# Altium PCB LimeSDR-USB_1v4s.PcbDoc (part 1 of 10) (continued)
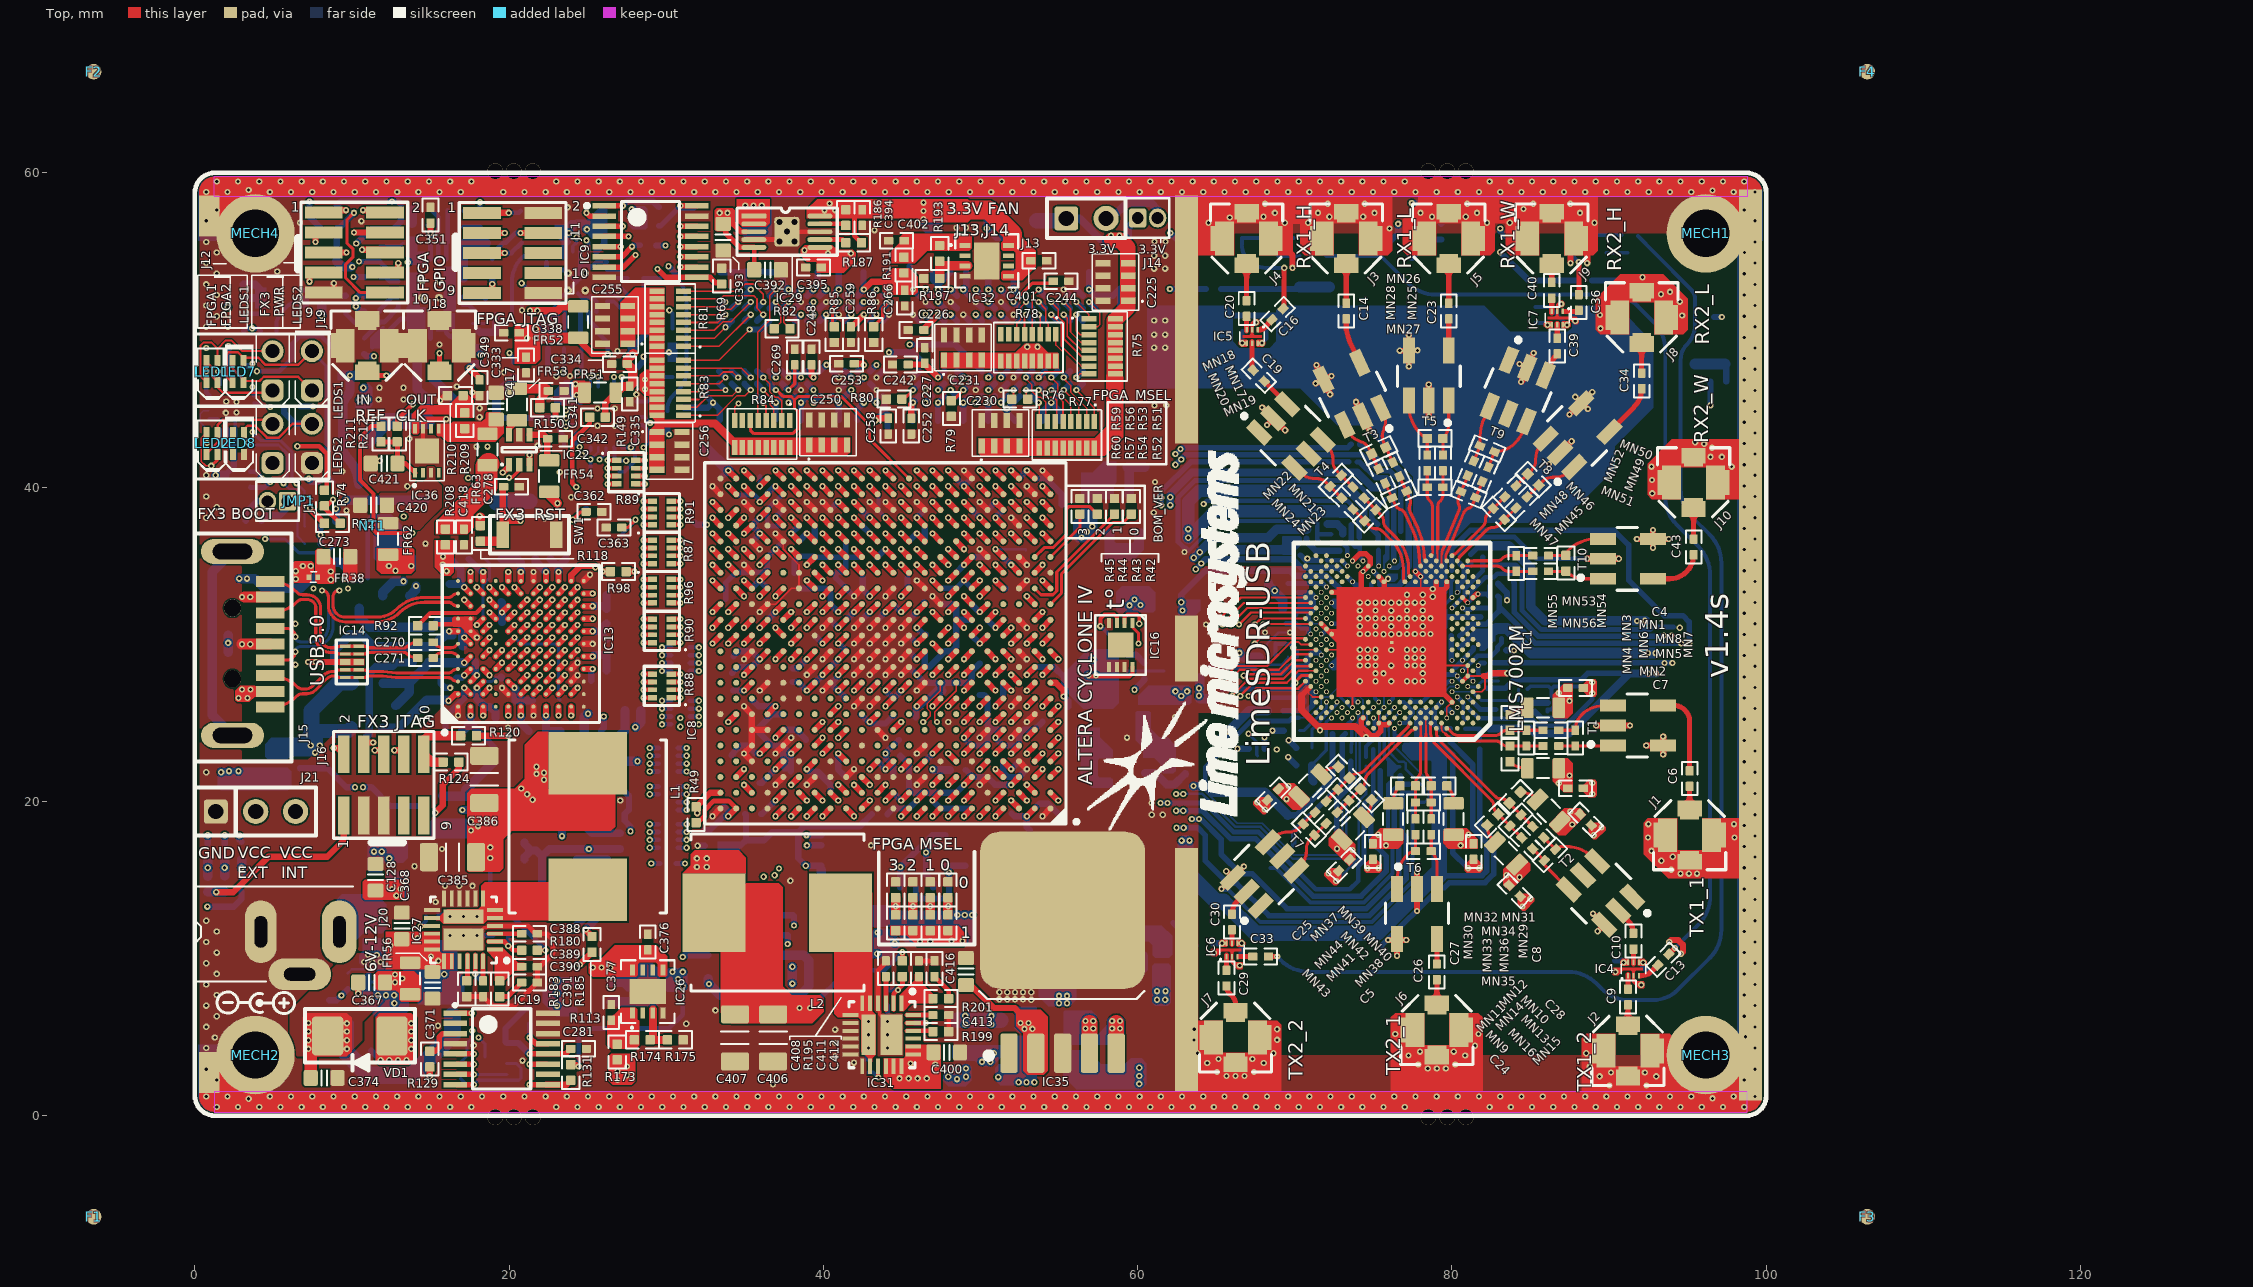
[diagram p0: Top view]
## Classes and differential pairs (continued)
net class FPGA_DDR0_BA: DDR2_1_BA0 DDR2_1_BA1 DDR2_1_BA2
net class FPGA_DDR0_A: DDR2_1_A0 DDR2_1_A1 DDR2_1_A2 DDR2_1_A3 DDR2_1_A4 DDR2_1_A5 DDR2_1_A6 DDR2_1_A7 DDR2_1_A8 DDR2_1_A9 DDR2_1_A10 DDR2_1_A11 DDR2_1_A12
component class 08_FPGA_banks_1_2_3_4: C103 C104 C105 C106 C107 C108 C109 C110 C111 C112 C113 C114 IC8 R42 R43 R44 R45 R46 R47
net class RX_RF: RXRF1_HAB_N RXRF1_HAB_P RXRF1_HBB_N RXRF1_HBB_P RXRF1_LAB_N RXRF1_LAB_P RXRF1_LBB_N RXRF1_LBB_P RXRF1_WAB_N RXRF1_WAB_P RXRF1_WBB_N RXRF1_WBB_P RXRF2_HAB_N RXRF2_HAB_P RXRF2_HBB_N RXRF2_HBB_P RXRF2_LAB_N RXRF2_LAB_P RXRF2_LBB_N RXRF2_LBB_P RXRF2_WAB_N RXRF2_WAB_P RXRF2_WBB_N RXRF2_WBB_P
net class TX_RF: TXRF1_1AB_N TXRF1_1AB_P TXRF1_1BB_N TXRF1_1BB_P TXRF1_2AB_N TXRF1_2AB_P TXRF1_2BB_N TXRF1_2BB_P TXRF2_1AB_N TXRF2_1AB_P TXRF2_1BB_N TXRF2_1BB_P TXRF2_2AB_N TXRF2_2AB_P TXRF2_2BB_N TXRF2_2BB_P
component class 07_LMS7002M_Power: C44 C45 C46 C47 C48 C49 C50 C51 C52 C53 C54 C55 C56 C57 C58 C59 C60 C61 C62 C63 C64 C65 C66 C67 C68 C69 C70 C71 C72 C73 C74 C75 C76 C77 C78 C79 C80 C81 C82 C83 C84 C85 C86 C87 C88 C89 C90 C91 C92 C93 C94 C95 C96 C97 C98 C99 C100 C101 C102 FR1 FR2 FR3 FR4 FR5 FR6 FR7 FR8 FR9 FR10 FR11 FR12 FR13 FR14 FR15 FR16 FR17 FR18 FR19 FR20 FR21 FR22 FR23 FR24 FR25 FR26 FR27 FR28 FR29 FR30 FR31 FR32 FR33 FR34 FR35 R22 R23 R24 R25 R26 R27 R28 R29 R30 R31 R32 R33 R34 R35 R36 R37 R38 R39 R40 R41
component class 05_LMS7002M_RF1: C4 C5 C6 C7 C8 C9 C10 C11 C12 C13 C14 C15 C16 C17 C18 C19 C20 C21 C22 C23 IC4 IC5 J1 J2 J3 J4 J5 MN1 MN2 MN3 MN4 MN5 MN6 MN7 MN8 MN9 MN10 MN11 MN12 MN13 MN14 MN15 MN16 MN17 MN18 MN19 MN20 MN21 MN22 MN23 MN24 MN25 MN26 MN27 MN28 R14 R15 R16 R17 RA1 RA2 RA3 RA4 T1 T2 T3 T4 T5 VT1 VT2 VT3
component class 11_DDR2: C221 C222 C223 C224 C225 C226 C227 C228 C229 C230 C231 C232 C233 C234 C235 C236 C237 C238 C239 C240 C241 C242 C243 C244 C245 C246 C247 C248 C249 C250 C251 C252 C253 C254 C255 C256 C257 C258 C259 C260 C261 C262 C263 C264 C265 C266 C267 C268 C269 FR76 IC11 IC12 R75 R76 R77 R78 R79 R80 R81 R82 R83 R84 R85 R86 XT6
component class 12_USB3_0_device: C270 C271 C272 C273 C274 C275 C276 C277 C278 C279 C280 C281 C282 FR38 FR39 IC13 IC14 IC15 IC16 IC17 IC18 IC19 J15 J16 J17 JMP1 NT1 R87 R88 R89 R90 R91 R92 R93 R94 R95 R96 R97 R98 R99 R100 R101 R102 R103 R104 R105 R106 R107 R108 R109 R110 R111 R112 R113 R114 R115 R116 R117 R118 R119 R120 R121 R122 R123 R124 R125 R126 R127 R128 R129 R130 R131 R132 R133 R134 R135 SW1 XT1
net class CLK_PATH: NetC182_1 NetC281_1 NetC321_1 NetC321_2 NetC322_2 NetIC20_3 NetIC20_5 NetR137_2 REF_CLK_IN RXPLL_CLK TXPLL_CLK
net class FX3_DATA: FX3_USB_D_N FX3_USB_D_P FX3_USB_SSRX_N FX3_USB_SSRX_P FX3_USB_SSTX_IC_N FX3_USB_SSTX_IC_P FX3_USB_SSTX_N FX3_USB_SSTX_P
component class 04_LMS7002M_Misc: C1 C2 C3 IC1 IC2 IC3 R1 R2 R3 R4 R5 R6 R7 R8 R9 R10 R11 R12 R13
net class LMS_PORT1: LMS_DIQ1_D0 LMS_DIQ1_D1 LMS_DIQ1_D2 LMS_DIQ1_D3 LMS_DIQ1_D4 LMS_DIQ1_D5 LMS_DIQ1_D6 LMS_DIQ1_D7 LMS_DIQ1_D8 LMS_DIQ1_D9 LMS_DIQ1_D10 LMS_DIQ1_D11 LMS_ENABLE_IQSEL1 LMS_FCLK1 LMS_MCLK1 LMS_TXNRX1
net class LMS_PORT2: LMS_DIQ2_D0 LMS_DIQ2_D1 LMS_DIQ2_D2 LMS_DIQ2_D3 LMS_DIQ2_D4 LMS_DIQ2_D5 LMS_DIQ2_D6 LMS_DIQ2_D7 LMS_DIQ2_D8 LMS_DIQ2_D9 LMS_DIQ2_D10 LMS_DIQ2_D11 LMS_ENABLE_IQSEL2 LMS_FCLK2 LMS_MCLK2 LMS_TXNRX2
component class 15_BoardPowerSupply: C367 C368 C369 C370 C371 C372 C373 C374 C375 C376 C377 C378 C379 C380 C381 C382 C383 C384 C385 C386 C387 C388 C389 C390 C391 C392 C393 C394 C395 C396 C397 C398 C399 C400 C401 C402 C403 C404 C405 C406 C407 C408 C409 C410 C411 C412 C413 C414 C415 C416 C417 C418 C419 C420 C421 C422 C423 C424 C? F1 F2 F3 F4 F? FR56 FR57 FR58 FR59 FR60 FR61 FR62 FR63 FR? IC25 IC26 IC27 IC28 IC29 IC30 IC31 IC32 IC33 IC34 IC35 IC36 IC39 J20 J21 J? L1 L2 L? LED1 LED2 LED7 LED8 LED? LEDS1 LEDS2 LEDS? MECH1 MECH2 MECH3 MECH4 MECH? R166 R167 R168 R169 R170 R171 R172 R173 R174 R175 R176 R177 R178 R179 R180 R181 R182 R183 R184 R185 R186 R187 R188 R189 R190 R191 R192 R193 R194 R195 R196 R197 R198 R199 R200 R201 R202 R203 R204 R205 R206 R207 R208 R209 R210 R211 R212 R213 R214 R215 R216 R217 R218 R219 R? VD1 VD?
component class 14_Clocks: C321 C322 C323 C324 C325 C326 C327 C328 C329 C330 C331 C332 C333 C334 C335 C336 C337 C338 C339 C340 C341 C342 C343 C344 C345 C346 C347 C348 C349 C350 C351 C352 C353 C354 C355 C356 C357 C358 C359 C360 C361 C362 C363 C364 C365 C366 C? FR49 FR50 FR51 FR52 FR53 FR54 FR55 FR? IC20 IC21 IC22 IC23 IC24 J18 J19 J? R136 R137 R138 R139 R140 R141 R142 R143 R144 R145 R146 R147 R148 R149 R150 R151 R152 R153 R154 R155 R156 R157 R158 R159 R160 R161 R162 R163 R164 R165 XO1 XO2 XO? XT2 XT?
net class FPGA_MSEL: MSEL0 MSEL1 MSEL2 MSEL3
net class FPGA_CONF: FPGA_AS_DCLK FPGA_CONF_DONE FPGA_NCONFIG FPGA_NSTATUS
net class FPGA_GPIO: FPGA_GPIO0 FPGA_GPIO1 FPGA_GPIO2 FPGA_GPIO3 FPGA_GPIO4 FPGA_GPIO5 FPGA_GPIO6 FPGA_GPIO7
net class FPGA_JTAG: FPGA_JTAG_TCK FPGA_JTAG_TDI FPGA_JTAG_TDO FPGA_JTAG_TMS NetJ11_7
net class FPGA_SPI0: FPGA_SPI0_LMS_SS FPGA_SPI0_MISO FPGA_SPI0_MOSI FPGA_SPI0_SCLK NetC1_1 NetIC1_D28 NetIC1_F28 NetIC1_F30
net class LMS_I2C: LMS_I2C_SCL LMS_I2C_SDA
net class I2C_BRDG: BRDG_INT BRDG_SPI_DUMMY_SS BRDG_SPI_FPGA_SS BRDG_SPI_MISO BRDG_SPI_MOSI BRDG_SPI_SCLK
net class FX3_JTAG: FX3_JTAG_TCK FX3_JTAG_TDI FX3_JTAG_TDO FX3_JTAG_TMS FX3_JTAG_TRST FX3_RST NetJ16_10
net class VCC1P2: VCC1P2
net class VCC1P4_LMS: VCC1P4_LMS
net class VCC1P8_DDR2: VCC1P8_DDR2
net class VCC1P8_LMS: VCC1P8_LMS
net class VCC1P8: VCC1P8
net class VCC1P25_LMS_DIG: VCC1P25_LMS_DIG
net class VCC1P25_LMS: VCC1P25_LMS
net class VCC2P5: VCC2P5
net class VCC3P3_CLK: VCC3P3_CLK
net class VCC3P3: VCC3P3
net class VCC5P0_USB: VCC5P0_USB
net class VDIO_LMS_FPGA: VDIO_LMS_FPGA
net class VDIO_LMS: VDIO_LMS
net class VCC_INT: VCC_INT
net class LMS_MISC: LMS_CORE_LDO_EN LMS_RESET LMS_RXEN LMS_TXEN
net class VDIO_LMS_LMK: VDIO_LMS_LMK
net class VCC3P3_LMK: VCC3P3_LMK
net class VCC_CFX3: VCC_CFX3
net class LB_CTRL: TX1_2_LB_AT TX1_2_LB_H TX1_2_LB_L TX1_2_LB_SH TX2_2_LB_H TX2_2_LB_L TX2_2_LB_SH
differential pair SI5351_XTAL: +SI5351_XTAL_P -SI5351_XTAL_N
differential pair FX3_XTAL: +FX3_XTAL_P -FX3_XTAL_N
differential pair DDR2_2_CLK: +DDR2_2_CLK_P -DDR2_2_CLK_N
differential pair DDR2_1_CLK: +DDR2_1_CLK_P -DDR2_1_CLK_N
differential pair RXRF1_HAB: +RXRF1_HAB_P -RXRF1_HAB_N
differential pair RXRF1_HBB: +RXRF1_HBB_P -RXRF1_HBB_N
differential pair RXRF1_LAB: +RXRF1_LAB_P -RXRF1_LAB_N
differential pair RXRF1_LBB: +RXRF1_LBB_P -RXRF1_LBB_N
differential pair RXRF1_WAB: +RXRF1_WAB_P -RXRF1_WAB_N
differential pair RXRF1_WBB: +RXRF1_WBB_P -RXRF1_WBB_N
differential pair TXRF1_1AB: +TXRF1_1AB_P -TXRF1_1AB_N
differential pair TXRF1_1BB: +TXRF1_1BB_P -TXRF1_1BB_N
differential pair TXRF1_2AB: +TXRF1_2AB_P -TXRF1_2AB_N
differential pair TXRF1_2BB: +TXRF1_2BB_P -TXRF1_2BB_N
differential pair RXRF2_HAB: +RXRF2_HAB_P -RXRF2_HAB_N
differential pair RXRF2_HBB: +RXRF2_HBB_P -RXRF2_HBB_N
differential pair RXRF2_LAB: +RXRF2_LAB_P -RXRF2_LAB_N
differential pair RXRF2_LBB: +RXRF2_LBB_P -RXRF2_LBB_N
differential pair RXRF2_WAB: +RXRF2_WAB_P -RXRF2_WAB_N
differential pair RXRF2_WBB: +RXRF2_WBB_P -RXRF2_WBB_N
differential pair TXRF2_1AB: +TXRF2_1AB_P -TXRF2_1AB_N
differential pair TXRF2_1BB: +TXRF2_2BB_P -TXRF2_2BB_N
differential pair TXRF2_2AB: +TXRF2_2AB_P -TXRF2_2AB_N
differential pair TXRF2_2BB: +TXRF2_1BB_P -TXRF2_1BB_N
differential pair FX3_USB_D: +FX3_USB_D_P -FX3_USB_D_N
differential pair FX3_USB_SSRX: +FX3_USB_SSRX_P -FX3_USB_SSRX_N
differential pair FX3_USB_SSTX_IC: +FX3_USB_SSTX_IC_P -FX3_USB_SSTX_IC_N
differential pair FX3_USB_SSTX: +FX3_USB_SSTX_P -FX3_USB_SSTX_N

## Components (designator, comment, footprint, x,y, rotation, side; value= is the part's Value field where it differs from the comment)
C1 "10pF, 25V" CAP0402#1 70.7,21.251 r180 bottom
C2 "1uF, 10V" CAP0402#1 49.05,15.4 r270 bottom
C3 "1uF, 10V" CAP0402#1 40.375,14.975 r180 bottom
C4 "100nF, 16V" CAP0402#2 87.867,27.216 r180 top
C5 "100nF, 16V" CAP0402#2 73.141,15.937 r45 top
C6 "100pF, 50V" CAP0402#2 95.125,21.45 r90 top
C7 "100nF, 16V" CAP0402#2 87.866,20.837 r180 top
C8 "100nF, 16V" CAP0402#2 81.38,16.81 r90 top
C9 "100pF, 50V" CAP0402#2 91.2,7.55 r90 top
C10 "100pF, 50V" CAP0402#2 91.55,11.1 r90 top
C11 "47pF" CAP0402#1 92.925,8.725 r135 bottom
C12 "47pF" CAP0402#1 90.4,10.375 r270 bottom
C13 "100pF, 50V" CAP0402#2 93.454,9.929 r45 top
C14 "470pF, 50V" CAP0402#2 73.275,51.2 r270 top
C15 "100pF, 50V" CAP0402#1 63.275,53.1 r90 bottom
C16 "100pF, 50V" CAP0402#2 68.904,51.004 r225 top
C17 "100pF, 50V" CAP0402#1 79.825,57.8 r0 bottom
C18 "100pF, 50V" CAP0402#1 63.275,55.2 r270 bottom
C19 "100pF, 50V" CAP0402#2 67.708,47.088 r315 top
C20 "100pF, 50V" CAP0402#2 66.934,51.359 r270 top
C21 "47pF" CAP0402#1 66.675,50.425 r270 bottom
C22 "47pF" CAP0402#1 68.2,50.425 r270 bottom
C23 "470pF, 50V" CAP0402#2 79.8,51.2 r270 top
C24 "100nF, 16V" CAP0402#2 83.994,14.308 r135 top
C25 "100nF, 16V" CAP0402#2 68.612,20.433 r45 top
C26 "100pF, 50V" CAP0402#2 79.04,9.15 r90 top
C27 "100nF, 16V" CAP0402#2 74.966,16.812 r90 top
C28 "100nF, 16V" CAP0402#2 88.519,18.833 r135 top
C29 "100pF, 50V" CAP0402#2 65.65,8.75 r90 top
C30 "100pF, 50V" CAP0402#2 66,12.325 r90 top
C31 "47pF" CAP0402#1 67.125,10.3 r180 bottom
C32 "47pF" CAP0402#1 64.25,10.975 r0 bottom
C33 "100pF, 50V" CAP0402#2 67.825,10.125 r0 top
C34 "470pF, 50V" CAP0402#2 92.076,46.755 r270 top
C35 "100pF, 50V" CAP0402#1 86.875,53.65 r90 bottom
C36 "100pF, 50V" CAP0402#2 88.075,51.75 r270 top
C37 "100pF, 50V" CAP0402#1 82.825,55.975 r180 bottom
C38 "100pF, 50V" CAP0402#1 96.955,45.66 r0 bottom
C39 "100pF, 50V" CAP0402#2 86.7,48.975 r270 top
C40 "100pF, 50V" CAP0402#2 86.35,52.525 r270 top
C41 "47pF" CAP0402#1 84.825,50.45 r0 bottom
C42 "47pF" CAP0402#1 84.825,51.45 r0 bottom
C43 "470pF, 50V" CAP0402#2 95.38,36.193 r270 top
C44 "1uF, 20%" CAP0201 71,33.589 r270 bottom
C45 "1nF, 10%" CAP0201 70.15,33.589 r270 bottom
C46 "1uF, 20%" CAP0201 68.491,29.974 r180 bottom
C47 "1nF, 10%" CAP0201 69.851,29.219 r180 bottom
C48 "1uF, 20%" CAP0201 72.875,32.119 r270 bottom
C49 "1nF, 10%" CAP0201 73.626,32.119 r270 bottom
C50 "1uF, 20%" CAP0201 70.075,28.32 r270 bottom
C51 "1nF, 10%" CAP0201 70.801,28.311 r270 bottom
C52 "1uF, 20%" CAP0201 73.926,30.094 r0 bottom
C53 "1nF, 10%" CAP0201 71.851,31.144 r135 bottom
C54 "1uF, 20%" CAP0201 70.62,26.939 r180 bottom
C55 "1nF, 10%" CAP0201 70.575,26.005 r90 bottom
C56 "1uF, 20%" CAP0201 70.096,31.599 r90 bottom
C57 "1nF, 10%" CAP0201 70.876,31.319 r90 bottom
C58 "1uF, 20%" CAP0201 72.875,31.028 r270 bottom
C59 "1nF, 10%" CAP0201 73.626,31.019 r270 bottom
C60 "1uF, 20%" CAP0201 68.825,26.87 r270 bottom
C61 "1nF, 10%" CAP0201 69.876,26.869 r270 bottom
C62 "1uF, 20%" CAP0201 73.201,24.569 r270 bottom
C63 "1uF, 20%" CAP0201 73.301,23.644 r180 bottom
C64 "1uF, 20%" CAP0201 79.125,24.344 r270 bottom
C65 "1uF, 20%" CAP0201 73.126,26.769 r180 bottom
C66 "1uF, 20%" CAP0201 77.544,20.224 r270 bottom
C67 "1uF, 20%" CAP0201 78.162,20.245 r270 bottom
C68 "1uF, 20%" CAP0201 76.05,21.475 r270 bottom
C69 "1uF, 20%" CAP0201 76.075,33.395 r270 bottom
C70 "1uF, 20%" CAP0201 82.196,25.569 r270 bottom
C71 "1uF, 20%" CAP0201 83.176,29.619 r0 bottom
C72 "1uF, 20%" CAP0201 84.526,27.144 r0 bottom
C73 "1uF, 20%" CAP0201 76.794,26.599 r90 bottom
C74 "1uF, 20%" CAP0201 86.094,25.999 r270 bottom
C75 "1uF, 20%" CAP0201 76.351,23.894 r270 bottom
C76 "1uF, 20%" CAP0201 75.677,27.074 r90 bottom
C77 "1uF, 20%" CAP0201 83,27.905 r90 bottom
C78 "1uF, 20%" CAP0201 74.531,22.526 r270 bottom
C79 "1uF, 20%" CAP0201 74.833,26.891 r225 bottom
C80 "1uF, 20%" CAP0201 77.444,26.776 r270 bottom
C81 "1uF, 20%" CAP0201 79.101,27.894 r180 bottom
C82 "1uF, 20%" CAP0201 74.126,36.519 r90 bottom
C83 "1uF, 20%" CAP0201 80.951,26.034 r315 bottom
C84 "1uF, 20%" CAP0201 82.001,28.069 r0 bottom
C85 "1uF, 20%" CAP0201 76.426,34.589 r270 bottom
C86 "1uF, 20%" CAP0201 75.601,38.419 r180 bottom
C87 "1uF, 20%" CAP0201 81.771,23.589 r270 bottom
C88 "1uF, 20%" CAP0201 75.07,35.4 r180 bottom
C89 "1uF, 20%" CAP0201 82.226,34.869 r0 bottom
C90 "1uF, 20%" CAP0201 83.175,34.775 r90 bottom
C91 "1uF, 20%" CAP0201 76.021,39.2 r180 bottom
C92 "1uF, 20%" CAP0201 74.463,33.744 r0 bottom
C93 "1uF, 20%" CAP0201 80.486,35.434 r90 bottom
C94 "1uF, 20%" CAP0201 79.926,28.526 r180 bottom
C95 "1uF, 20%" CAP0201 72.276,36.719 r90 bottom
C96 "1uF, 20%" CAP0201 71.796,37.644 r180 bottom
C97 "1uF, 20%" CAP0201 71.771,35.339 r180 bottom
C98 "1uF, 20%" CAP0201 71.525,36.255 r90 bottom
C99 "1uF, 20%" CAP0201 70.123,35.902 r315 bottom
C100 "1uF, 20%" CAP0201 79.251,32.544 r180 bottom
C101 "1uF, 20%" CAP0201 81.75,32.027 r270 bottom
C102 "1uF, 20%" CAP0201 82.651,33.719 r0 bottom
C103 "100nF, 16V" CAP0402#1 36.425,39.075 r270 bottom
C104 "100nF, 16V" CAP0402#1 38.45,36.1 r270 bottom
C105 "100nF, 16V" CAP0402#1 41.45,37.05 r270 bottom
C106 "100nF, 16V" CAP0402#1 42.925,37.525 r0 bottom
C107 "100nF, 16V" CAP0402#1 42.925,35.525 r180 bottom
C108 "100nF, 16V" CAP0402#1 45.475,36.075 r270 bottom
C109 "100nF, 16V" CAP0402#1 51.45,41.075 r90 bottom
C110 "100nF, 16V" CAP0402#1 50.45,39.025 r90 bottom
C111 "100nF, 16V" CAP0402#1 51.425,36.075 r90 bottom
C112 "100nF, 16V" CAP0402#1 49.925,32.55 r0 bottom
C113 "100nF, 16V" CAP0402#1 50.925,30.525 r0 bottom
C114 "100nF, 16V" CAP0402#1 48.95,30.525 r180 bottom
C115 "220uF, 4V" CAP1206#1 47.375,25.675 r90 bottom
C116 "10uF, 6.3V" CAP0603#1 41.65,34.225 r0 bottom
C117 "4.7uF, 6.3V" CAP0402#1 38.4,33.05 r90 bottom
C118 "1uF, 10V" CAP0402#1 43.925,32.55 r180 bottom
C119 "100nF, 16V" CAP0402#1 39.975,28.55 r180 bottom
C120 "220uF, 4V" CAP1206#1 34.5,24.55 r0 bottom
C121 "10uF, 6.3V" CAP0603#1 37.925,21.075 r90 bottom
C122 "4.7uF, 6.3V" CAP0402#1 31.825,38.225 r270 bottom
C123 "1uF, 10V" CAP0402#1 50.45,36.025 r90 bottom
C124 "100nF, 16V" CAP0402#1 48.45,35.075 r90 bottom
C125 "100nF, 16V" CAP0402#1 56.95,30.125 r90 bottom
C126 "220uF, 4V" CAP1206#1 31.025,41.525 r45 bottom
C127 "100uF, 6.3V" CAP1206#1 55.175,40.375 r270 bottom
C128 "10uF, 6.3V" CAP0603#2 11.5,15.175 r270 top
C129 "4.7uF, 6.3V" CAP0402#1 36.925,33.575 r180 bottom
C130 "1uF, 10V" CAP0402#1 48.45,40.075 r90 bottom
C131 "100nF, 16V" CAP0402#1 35.45,33.075 r270 bottom
C132 "100uF, 6.3V" CAP1206#1 40.4,23.925 r180 bottom
C133 "10uF, 6.3V" CAP0603#1 32.95,32.85 r0 bottom
C134 "4.7uF, 6.3V" CAP0402#1 47.9,10.15 r90 bottom
C135 "1uF, 10V" CAP0402#1 35.925,35.525 r0 bottom
C136 "100nF, 16V" CAP0402#1 49.925,33.525 r0 bottom
C137 "100uF, 6.3V" CAP1206#1 34.45,21.175 r0 bottom
C138 "10uF, 6.3V" CAP0603#1 33.3,22.925 r0 bottom
C139 "4.7uF, 6.3V" CAP0402#1 55.45,19.2 r180 bottom
C140 "1uF, 10V" CAP0402#1 40.45,20.075 r90 bottom
C141 "100nF, 16V" CAP0402#1 41.675,22.55 r0 bottom
C142 "100uF, 6.3V" CAP1206#1 55.35,29.375 r270 bottom
C143 "10uF, 6.3V" CAP0603#1 53.95,25.95 r270 bottom
C144 "4.7uF, 6.3V" CAP0402#1 60.875,31.825 r90 bottom
C145 "1uF, 10V" CAP0402#1 53.475,29.025 r270 bottom
C146 "100nF, 16V" CAP0402#1 51.95,27.525 r0 bottom
C147 "100nF, 16V" CAP0402#1 36.35,6.6 r0 bottom
C148 "100nF, 16V" CAP0402#1 32.25,57.75 r0 bottom
C149 "100nF, 16V" CAP0402#1 48.9,25.55 r180 bottom
C150 "100nF, 16V" CAP0402#1 47.425,34.05 r90 bottom
C151 "100nF, 16V" CAP0402#1 37.425,37.025 r90 bottom
C152 "100nF, 16V" CAP0402#1 48.425,33.025 r270 bottom
C153 "100nF, 16V" CAP0402#1 33.775,29.225 r180 bottom
C154 "100nF, 16V" CAP0402#1 46.45,22.025 r270 bottom
C155 "100nF, 16V" CAP0402#1 53.75,20.35 r90 bottom
C156 "100nF, 16V" CAP0402#1 33.175,19.65 r180 bottom
C157 "100nF, 16V" CAP0402#1 50.95,22.575 r0 bottom
C158 "100nF, 16V" CAP0402#1 39.525,21.4 r270 bottom
C159 "100nF, 16V" CAP0402#1 43.45,22.05 r270 bottom
C160 "100nF, 16V" CAP0402#1 32.45,17.675 r270 bottom
C161 "100nF, 16V" CAP0402#1 33.7,28.175 r180 bottom
C162 "100nF, 16V" CAP0402#1 33.75,27.05 r180 bottom
C163 "100nF, 16V" CAP0402#1 35.475,26.95 r90 bottom
C164 "100nF, 16V" CAP0402#1 41.925,21.55 r0 bottom
C165 "100nF, 16V" CAP0402#1 51.975,18.725 r270 bottom
C166 "100nF, 16V" CAP0402#1 53.625,18.175 r0 bottom
C167 "100nF, 16V" CAP0402#1 51.95,28.525 r0 bottom
C168 "100nF, 16V" CAP0402#1 51.95,26.525 r0 bottom
C169 "100nF, 16V" CAP0402#1 52.925,23.575 r0 bottom
C170 "100nF, 16V" CAP0402#1 52.925,22.575 r0 bottom
C171 "100nF, 16V" CAP0402#1 36,31.55 r180 bottom
C172 "100nF, 16V" CAP0402#1 46.45,39.05 r90 bottom
C173 "100nF, 16V" CAP0402#1 43.5,40.05 r90 bottom
C174 "100nF, 16V" CAP0402#1 46.45,36.025 r270 bottom
C175 "100nF, 16V" CAP0402#1 52.45,41.075 r90 bottom
C176 "100nF, 16V" CAP0402#1 39.425,36.05 r270 bottom
C177 "100nF, 16V" CAP0402#1 42.45,39.025 r90 bottom
C178 "100nF, 16V" CAP0402#1 32.95,40.55 r180 bottom
C179 "100nF, 16V" CAP0402#1 51.475,33.05 r270 bottom
C180 "100nF, 16V" CAP0402#1 53.375,35.975 r0 bottom
C181 "100nF, 16V" CAP0402#1 49.95,31.525 r180 bottom
C182 "100nF, 16V" CAP0402#1 34.975,37.525 r180 bottom
C183 "100nF, 16V" CAP0402#1 49.45,41.075 r90 bottom
C184 "100nF, 16V" CAP0402#1 51.425,39.025 r90 bottom
C185 "100nF, 16V" CAP0402#1 37.45,39.05 r90 bottom
C186 "100nF, 16V" CAP0402#1 34.975,36.525 r180 bottom
C187 "100nF, 16V" CAP0402#1 40.45,38.05 r270 bottom
C188 "100nF, 16V" CAP0402#1 49.475,39.075 r90 bottom
C189 "100nF, 16V" CAP0402#1 42.45,31.075 r270 bottom
C190 "100nF, 16V" CAP0402#1 46.4,33.175 r90 bottom
C191 "100nF, 16V" CAP0402#1 45.8,24.85 r270 bottom
C192 "100nF, 16V" CAP0402#1 43.45,34.05 r90 bottom
C193 "100nF, 16V" CAP0402#1 44.85,34.2 r180 bottom
C194 "100nF, 16V" CAP0402#1 41.475,31.05 r270 bottom
C195 "100nF, 16V" CAP0402#1 43.45,31.05 r270 bottom
C196 "100nF, 16V" CAP0402#1 45,31.55 r180 bottom
C197 "100nF, 16V" CAP0402#1 39.925,32.55 r180 bottom
C198 "100nF, 16V" CAP0402#1 39.925,31.55 r180 bottom
C199 "100nF, 16V" CAP0402#1 44.975,29.55 r180 bottom
C200 "100nF, 16V" CAP0402#1 41.95,29.575 r0 bottom
C201 "100nF, 16V" CAP0402#1 46.5,30.05 r270 bottom
C202 "100nF, 16V" CAP0402#1 44.975,30.5 r180 bottom
C203 "100nF, 16V" CAP0402#1 51.45,25.05 r90 bottom
C204 "100nF, 16V" CAP0402#1 49.45,36.025 r90 bottom
C205 "100nF, 16V" CAP0402#1 37.475,26.05 r90 bottom
C206 "100nF, 16V" CAP0402#1 38.425,38.075 r90 bottom
C207 "100nF, 16V" CAP0402#1 44.45,28.075 r90 bottom
C208 "100nF, 16V" CAP0402#1 45.95,28.55 r0 bottom
C209 "100nF, 16V" CAP0402#1 37.55,27.6 r180 bottom
C210 "100nF, 16V" CAP0402#1 37.55,28.475 r180 bottom
C211 "100nF, 16V" CAP0402#1 39.425,27.025 r270 bottom
C212 "100nF, 16V" CAP0402#1 45.45,27.05 r270 bottom
C213 "100nF, 16V" CAP0402#1 43.45,28.075 r90 bottom
C214 "100nF, 16V" CAP0402#1 42.45,28.075 r90 bottom
C215 "100nF, 16V" CAP0402#1 41.425,26.025 r270 bottom
C216 "100nF, 16V" CAP0402#1 40.45,27 r270 bottom
C217 "100nF, 16V" CAP0402#1 38.975,30.525 r180 bottom
C218 "100nF, 16V" CAP0402#1 43.975,25.525 r180 bottom
C219 "100nF, 16V" CAP0402#1 44,26.55 r180 bottom
C220 "100nF, 16V" CAP0402#1 42.4,26.025 r90 bottom
C221 "100nF, 16V" CAP0402#1 47.3,43.725 r270 bottom
C222 "100nF, 16V" CAP0402#1 48.9,43.725 r270 bottom
C223 "100nF, 16V" CAP0402#1 50.5,43.725 r270 bottom
C224 "100nF, 16V" CAP0402#1 53.95,43.725 r270 bottom
C225 "0.1uF" CKCA43X7R1C104M100AA 58.6,53.05 r180 top
C226 "100nF, 16V" CAP0402#2 45.9,50 r180 top
C227 "100nF, 16V" CAP0402#2 46.45,48.375 r90 top
C228 "100nF, 16V" CAP0402#1 55.05,43.725 r270 bottom
C229 "100nF, 16V" CAP0402#1 47,54.15 r90 bottom
C230 "0.1uF" CKCA43X7R1C104M100AA 51.275,43.425 r90 top
C231 "0.1uF" CKCA43X7R1C104M100AA 48.875,48.875 r90 top
C232 "100nF, 16V" CAP0402#1 45.5,54.55 r90 bottom
C233 "100nF, 16V" CAP0402#1 48.075,54.15 r90 bottom
C234 "100nF, 16V" CAP0402#1 52.2,43.725 r270 bottom
C235 "100nF, 16V" CAP0402#1 49.1,54.15 r90 bottom
C236 "100nF, 16V" CAP0402#1 45.675,43.725 r270 bottom
C237 "100nF, 16V" CAP0402#1 56.9,54.175 r90 bottom
C238 "100nF, 16V" CAP0402#1 59.375,51.15 r0 bottom
C239 "100nF, 16V" CAP0402#1 50.5,54.175 r90 bottom
C240 "10uF, 6.3V" CAP0603#1 59.7,52.65 r180 bottom
C241 "4.7uF, 6.3V" CAP0402#1 34.4,56.875 r0 bottom
C242 "1uF, 10V" CAP0402#2 44.9,47.8 r0 top
C243 "100nF, 16V" CAP0402#1 52.1,54.175 r90 bottom
C244 "100nF, 16V" CAP0402#2 55.125,53.1 r0 top
C245 "220uF, 4V" CAP1206#1 37.65,56.825 r180 bottom
C246 "100nF, 16V" CAP0402#1 38.575,43.75 r270 bottom
C247 "100nF, 16V" CAP0402#1 40.975,43.775 r270 bottom
C248 "100nF, 16V" CAP0402#2 39.25,48.275 r90 top
C249 "100nF, 16V" CAP0402#1 40.975,54.175 r90 bottom
C250 "0.1uF" CKCA43X7R1C104M100AA 40.3,43.475 r90 top
C251 "100nF, 16V" CAP0402#1 42.175,43.775 r270 bottom
C252 "100nF, 16V" CAP0402#2 45.6,43.875 r270 top
C253 "100nF, 16V" CAP0402#2 41.475,47.85 r180 top
C254 "100nF, 16V" CAP0402#1 42.55,54.175 r90 bottom
C255 "0.1uF" CKCA43X7R1C104M100AA 26.75,50.325 r180 top
C256 "0.1uF" CKCA43X7R1C104M100AA 30.2,42.3 r0 top
C257 "100nF, 16V" CAP0402#1 34.95,54.15 r90 bottom
C258 "100nF, 16V" CAP0402#2 44.125,43.875 r270 top
C259 "100nF, 16V" CAP0402#2 41.75,49.7 r270 top
C260 "100nF, 16V" CAP0402#1 44.3,54.2 r90 bottom
C261 "100nF, 16V" CAP0402#1 37.425,54.175 r90 bottom
C262 "100nF, 16V" CAP0402#1 33.35,43.775 r270 bottom
C263 "100nF, 16V" CAP0402#1 31.15,44.55 r270 bottom
C264 "100nF, 16V" CAP0402#1 39.625,54.175 r90 bottom
C265 "10uF, 6.3V" CAP0603#1 36.275,54.525 r270 bottom
C266 "4.7uF, 6.3V" CAP0402#2 45.175,52.025 r90 top
C267 "1uF, 10V" CAP0402#1 36.95,43.775 r90 bottom
C268 "100nF, 16V" CAP0402#1 44.075,43.325 r270 bottom
C269 "100nF, 16V" CAP0402#2 38.175,48.275 r90 top
C270 "100nF, 16V" CAP0402#2 14.675,30.125 r0 top
C271 "100nF, 16V" CAP0402#2 14.675,29.125 r180 top
C272 "100nF, 16V" CAP0402#1 10.175,7.05 r180 bottom
C273 "1uF, 16V" CAP0603#2 9.05,35.575 r180 top
C274 "100nF, 16V" CAP0402#1 1.625,30.625 r0 bottom
C275 "13pF, 5%" CAP0402#1 14.2,20.2 r270 bottom
C276 "100nF, 16V" CAP0402#1 20.975,15.8 r270 bottom
C277 "13pF, 5%" CAP0402#1 6.7,21.6 r90 bottom
C278 "100nF, 16V" CAP0402#2 20.15,40.025 r0 top
C279 "100nF, 16V" CAP0402#1 19.275,5.55 r180 bottom
C280 "100nF, 16V" CAP0402#1 58.825,28.275 r0 bottom
C281 "100nF, 16V" CAP0402#2 24.425,4.25 r0 top
C282 "100nF, 16V" CAP0402#1 1.8,39.95 r270 bottom
C283 "22uF, 10V" CAP0603#1 10.6,16.075 r0 bottom
C284 "100nF, 16V" CAP0402#1 21.825,26.425 r0 bottom
C285 "100nF, 16V" CAP0402#1 26.7,33.125 r0 bottom
C286 "10nF, 10%" CAP0402#1 19.9,26.425 r0 bottom
C287 "10nF, 10%" CAP0402#1 26.7,32.25 r180 bottom
C288 "100nF, 16V" CAP0402#1 21.675,35.925 r90 bottom
C289 "10nF, 10%" CAP0402#1 21.25,23.975 r90 bottom
C290 "22uF, 10V" CAP0603#1 18.075,20.325 r180 bottom
C291 "100nF, 16V" CAP0402#1 19.5,23.275 r0 bottom
C292 "10nF, 10%" CAP0402#1 18,24 r90 bottom
C293 "100nF, 16V" CAP0402#1 17,24 r270 bottom
C294 "10nF, 10%" CAP0402#1 17.425,35.925 r270 bottom
C295 "10uF, 6.3V" CAP0603#1 15.225,32.075 r270 bottom
C296 "100nF, 16V" CAP0402#1 17.05,31.65 r90 bottom
C297 "10nF, 10%" CAP0402#1 17.55,29.9 r180 bottom
C298 "22uF, 10V" CAP0603#1 14.2,25.025 r90 bottom
C299 "100nF, 16V" CAP0402#1 15.325,25.95 r270 bottom
C300 "100nF, 16V" CAP0402#1 14.375,28.85 r180 bottom
C301 "22uF, 10V" CAP0603#1 11.95,26.1 r0 bottom
C302 "100nF, 16V" CAP0402#1 12.81,29.335 r270 bottom
C303 "22uF, 10V" CAP0603#1 10.1,29.75 r90 bottom
C304 "22uF, 10V" CAP0603#1 1.575,21.212 r0 bottom
C305 "100nF, 16V" CAP0402#1 19.525,35.925 r90 bottom
C306 "100nF, 16V" CAP0402#1 22.625,35.925 r90 bottom
C307 "100nF, 16V" CAP0402#1 26.7,31.325 r0 bottom
C308 "100nF, 16V" CAP0402#1 26.7,28.325 r0 bottom
C309 "100nF, 16V" CAP0402#1 22.275,23.975 r270 bottom
C310 "100nF, 16V" CAP0402#1 19.55,30.9 r270 bottom
C311 "100nF, 16V" CAP0402#1 15.35,33.95 r180 bottom
C312 "100nF, 16V" CAP0402#1 19.125,24.825 r270 bottom
C313 "10nF, 10%" CAP0402#1 20.525,35.925 r270 bottom
C314 "10nF, 10%" CAP0402#1 23.625,35.925 r270 bottom
C315 "10nF, 10%" CAP0402#1 26.7,30.325 r180 bottom
C316 "10nF, 10%" CAP0402#1 26.7,29.325 r180 bottom
C317 "10nF, 10%" CAP0402#1 23.275,23.975 r90 bottom
C318 "10nF, 10%" CAP0402#1 20,32.7 r180 bottom
C319 "10nF, 10%" CAP0402#1 16.45,35.725 r270 bottom
C320 "10nF, 10%" CAP0402#1 20,27.875 r180 bottom
C321 "100nF, 16V" CAP0402#1 28.05,53.313 r0 bottom
C322 "100nF, 16V" CAP0402#1 30.15,53.313 r0 bottom
C323 "100nF, 16V" CAP0402#1 28.05,54.313 r180 bottom
C324 "47pF" CAP0402#1 25.1,47.775 r180 bottom
C325 "47pF" CAP0402#1 23,47.775 r0 bottom
C326 "1uF, 10V" CAP0402#1 12.7,43.7 r90 bottom
C327 "100nF, 16V" CAP0402#1 14.65,47.95 r180 bottom
C328 "100nF, 16V" CAP0402#1 2.6,52.9 r0 bottom
C329 "1uF, 10V" CAP0402#1 24.25,57.2 r270 bottom
C330 "100nF, 16V" CAP0402#1 27.15,47.625 r0 bottom
C331 "100pF, 50V" CAP0402#1 26.45,56 r180 bottom
C332 "100pF, 50V" CAP0402#1 23.25,56.7 r270 bottom
C333 "1uF, 10V" CAP0402#2 21.075,47.775 r90 top
C334 "1uF, 10V" CAP0402#2 27.025,47.825 r0 top
C335 "100nF, 16V" CAP0402#2 27.675,45.925 r90 top
C336 "100pF, 50V" CAP0402#1 21.3,53 r270 bottom
C337 "100pF, 50V" CAP0402#1 27.35,49.15 r0 bottom
C338 "100nF, 16V" CAP0402#2 20.15,49.825 r0 top
C339 "100pF, 50V" CAP0402#1 25.55,49.325 r90 bottom
C340 "100pF, 50V" CAP0402#1 22.475,49.313 r90 bottom
C341 "1uF, 10V" CAP0402#2 23,46.125 r180 top
C342 "100nF, 16V" CAP0402#2 22.95,43.075 r0 top
C343 "100pF, 50V" CAP0402#1 18.125,50.4 r270 bottom
C344 "100pF, 50V" CAP0402#1 19.675,50.9 r0 bottom
C345 "100nF, 16V" CAP0402#1 18.675,47.85 r180 bottom
C346 "100nF, 16V" CAP0402#1 18.675,48.85 r180 bottom
C347 "100pF, 50V" CAP0402#1 12.275,56.925 r90 bottom
C348 "100pF, 50V" CAP0402#1 11.275,56.925 r90 bottom
C349 "100pF, 50V" CAP0402#2 18.125,46.325 r270 top
C350 "100pF, 50V" CAP0402#1 8.525,57.5 r180 bottom
C351 "100pF, 50V" CAP0402#2 15,57.3 r270 top
C352 "100nF, 16V" CAP0402#1 14.325,56.675 r180 bottom
C353 "1nF, 10%" CAP0402#1 14.475,49.425 r0 bottom
C354 "1nF, 10%" CAP0402#1 12.925,47.95 r90 bottom
C355 "22pF, 5%" CAP0402#1 18.675,57.575 r180 bottom
C356 "22pF, 5%" CAP0402#1 16.6,56.575 r180 bottom
C357 "22pF, 5%" CAP0402#1 16.6,55.575 r180 bottom
C358 "220pF, 10%" CAP0402#1 19,51.95 r0 bottom
C359 "100nF, 16V" CAP0402#1 23.5,42.2 r270 bottom
C360 "100nF, 16V" CAP0402#1 22.675,45.575 r180 bottom
C361 "10pF, 25V" CAP0402#1 9.625,51.675 r270 bottom
C362 "10pF, 25V" CAP0402#2 25.4,38.425 r180 top
C363 "10pF, 25V" CAP0402#2 26.675,37.425 r0 top
C364 "100nF, 16V" CAP0402#1 28.025,41.15 r270 bottom
C365 "100nF, 16V" CAP0402#1 27.025,40.475 r270 bottom
C366 "100nF, 16V" CAP0402#1 25.175,40.6 r270 bottom
C367 "10uF, 25V" CAP0603#2 11.25,8.475 r0 top
C368 "10uF, 25V" CAP0603#2 13.175,12.075 r270 top
C369 "10uF, 25V" CAP0603#1 14.675,6.1 r90 bottom
C370 "10uF, 25V" CAP0603#1 17.1,9.85 r180 bottom
C371 "10uF, 25V" CAP0603#2 15.125,8.3 r90 top
C372 "100nF, 16V" CAP0402#1 15.225,11.125 r90 bottom
C373 "100nF, 16V" CAP0402#1 11.225,4.625 r90 bottom
C374 "10uF, 25V" CAP0603#2 8.225,2.4 r180 top
C375 "10uF, 16V" CAP0603#1 12.375,5.625 r90 bottom
C376 "4.7uF, 6.3V" CAP0402#2 28.825,11.05 r270 top
C377 "4.7uF, 6.3V" CAP0402#2 26.5,6.575 r270 top
C378 "100nF, 16V" CAP0402#1 15.2,12.675 r0 bottom
C379 "10uF, 25V" CAP0603#1 13.175,11.575 r270 bottom
C380 "1uF, 10V" CAP0402#1 51.275,5.6 r90 bottom
C381 "100nF, 16V" CAP0402#1 48.525,5.6 r270 bottom
C382 "1uF, 10V" CAP0402#1 56.29,8.139 r180 bottom
C383 "4.7uF, 6.3V" CAP0402#1 54.665,12.014 r270 bottom
C384 "4.7uF, 6.3V" CAP0402#1 61.415,12.114 r270 bottom
C385 "100uF, 6.3V" CAP1206#2 16.4,16.45 r0 top
C386 "100uF, 6.3V" CAP1206#2 18.425,21.4 r270 top
C387 "10uF, 6.3V" CAP0603#1 32.6,53.675 r0 bottom
C388 "1uF, 10V" CAP0402#2 21.3,11.575 r0 top
C389 "4.7pF, 50V" CAP0402#2 21.3,9.475 r0 top
C390 "1200pF, 50V" CAP0402#2 21.3,8.475 r0 top
C391 "22nF, 50V" CAP0402#2 18.35,8.075 r270 top
C392 "10uF, 6.3V" CAP0603#2 36.45,53.825 r180 top
C393 "10uF, 6.3V" CAP0603#2 33.625,55.9 r90 top
C394 "1uF, 10V" CAP0402#2 42.475,57.15 r90 top
C395 "100nF, 16V" CAP0402#2 39.375,53.975 r180 top
C396 "1uF, 10V" CAP0402#1 58.25,25.675 r90 bottom
C397 "4.7uF, 6.3V" CAP0402#1 56.225,22 r0 bottom
C398 "4.7uF, 6.3V" CAP0402#1 59.9,24.475 r0 bottom
C399 "100nF, 16V" CAP0402#1 42.875,3.25 r90 bottom
C400 "10uF, 25V" CAP0603#2 47.85,4.025 r180 top
C401 "4.7uF, 6.3V" CAP0402#2 53.71,54.4 r180 top
C402 "4.7uF, 6.3V" CAP0402#2 44.65,55.675 r0 top
C403 "1uF, 10V" CAP0402#1 58.45,32.725 r0 bottom
C404 "4.7uF, 6.3V" CAP0402#1 57.975,35.125 r90 bottom
C405 "4.7uF, 6.3V" CAP0402#1 56.775,41.1 r270 bottom
C406 "220uF, 4V" CAP1206#2 36.8,4.95 r90 top
C407 "220uF, 4V" CAP1206#2 34.375,4.95 r90 top
C408 "1uF, 10V" CAP0402#2 43.975,9.35 r90 top
C409 "4.7uF, 6.3V" CAP0402#1 21.95,7.875 r0 bottom
C410 "4.7uF, 6.3V" CAP0402#1 28.2,9.925 r270 bottom
C411 "68pF, 25V" CAP0402#2 46.075,9.35 r90 top
C412 "1500pF, 50V" CAP0402#2 47.075,9.35 r90 top
C413 "22nF, 50V" CAP0402#2 47.475,6.4 r0 top
C414 "4.7uF, 6.3V" CAP0402#1 53.725,3.4 r180 bottom
C415 "10uF, 6.3V" CAP0603#1 55.125,5.925 r0 bottom
C416 "10uF, 16V" CAP0603#2 49.075,9.175 r270 top
C417 "10uF, 6.3V" CAP0603#2 19.175,45.15 r270 top
C418 "4.7uF, 6.3V" CAP0402#2 17.125,36.825 r90 top
C419 "10uF, 25V" CAP0603#1 11,37.275 r0 bottom
C420 "10uF, 25V" CAP0603#2 11.375,38.85 r0 top
C421 "10uF, 25V" CAP0603#2 12.05,41.5 r0 top
F1 "Fiducial" Fiducial -6.437,-6.437 r0 top
F2 "Fiducial" Fiducial -6.437,66.437 r0 top
F3 "Fiducial" Fiducial 106.437,-6.437 r0 top
F4 "Fiducial" Fiducial 106.437,66.437 r0 top
FR1 "600R, 0.27A" RES0201 79.901,24.344 r270 bottom
FR2 "600R, 0.27A" RES0201 72.401,24.544 r90 bottom
FR3 "600R, 0.27A" RES0201 76.7,21.92 r270 bottom
FR4 "600R, 0.27A" RES0201 73.126,27.544 r0 bottom
FR5 "600R, 0.27A" RES0201 73.87,42.725 r0 bottom
FR6 "600R, 0.27A" RES0201 77.72,21.089 r180 bottom
FR7 "600R, 0.27A" RES0201 76.839,20.805 r90 bottom
FR8 "600R, 0.27A" RES0201 77.476,24.994 r0 bottom
FR9 "600R, 0.27A" RES0201 83.156,30.649 r270 bottom
FR10 "600R, 0.27A" RES0201 84.53,26.425 r180 bottom
FR11 "600R, 0.27A" RES0201 77.126,23.894 r270 bottom
FR12 "600R, 0.27A" RES0201 83.081,25.849 r0 bottom
FR13 "600R, 0.27A" RES0201 75.443,22.252 r270 bottom
FR14 "600R, 0.27A" RES0201 78.126,26.062 r90 bottom
FR15 "600R, 0.27A" RES0201 73.601,37.899 r90 bottom
FR16 "600R, 0.27A" RES0201 80.23,30.525 r180 bottom